# KiCad board jetson-agx-thor-baseboard.kicad_pcb (continued)
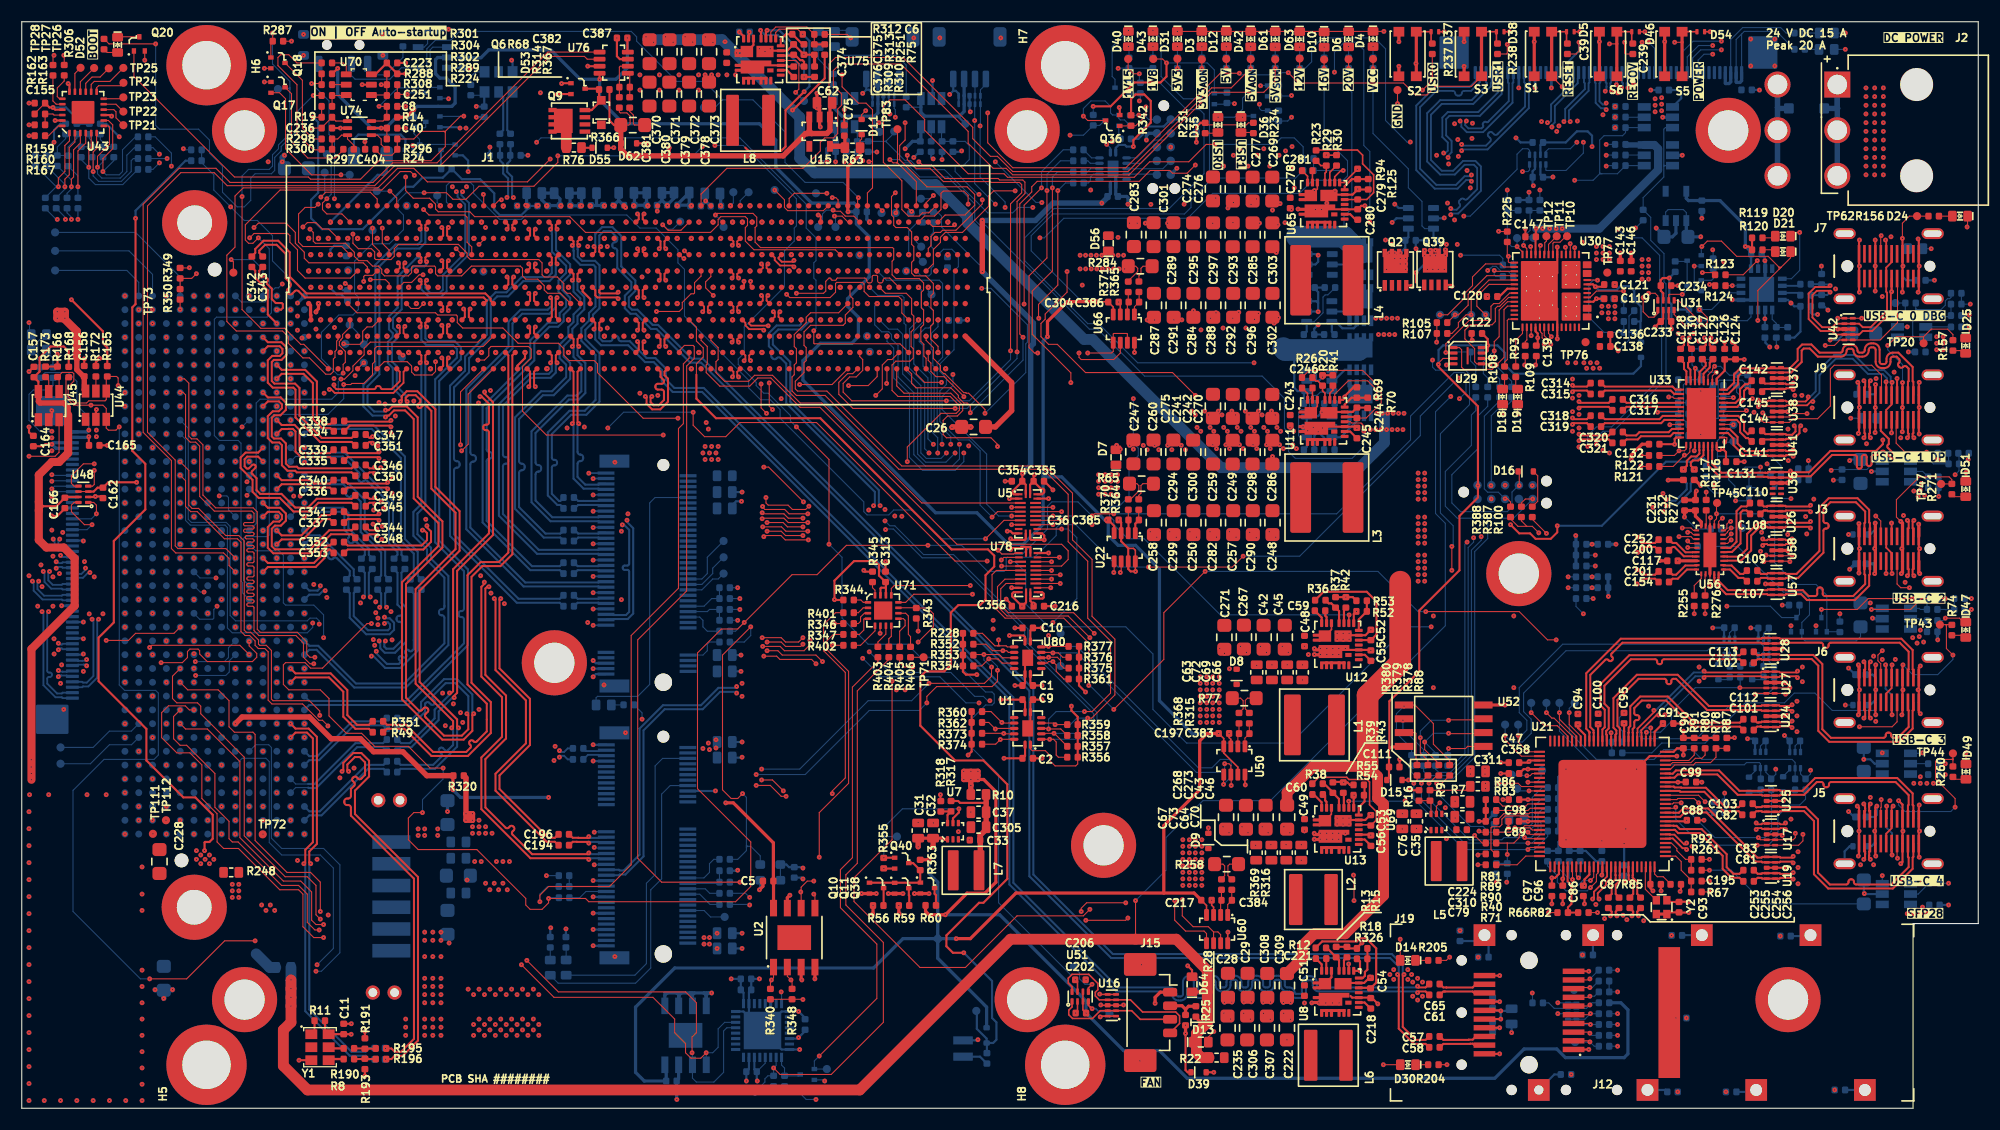
[diagram p0: board, top side]
## Nets (continued)
Net-(Q22-G): Q22.1 U72.1
Net-(Q23-G): Q23.4 U62.5
Net-(Q24-G): Q24.4 U63.5
Net-(Q25-G): Q25.4 U64.5
Net-(Q26-D1): Q26.5 Q26.6 R303.2
Net-(Q27-D1): Q27.5 Q27.6 R332.2
Net-(Q28-G): Q28.1 Q36.3 R126.1
Net-(Q29-D1): Q29.5 Q29.6 R333.2
Net-(Q34-D): Q34.3 Q35.1 R273.1
Net-(Q35-D): Q35.3 R118.2 R274.1
Net-(Q37-D): Q37.3 R50.1
Net-(Q37-G): Q7.3 Q8.1 Q37.1 R47.1
Net-(Q38-D): Q38.3 R60.1
Net-(R265-Pad1): R265.1 R269.2 R339.2
Net-(R300-Pad2): R300.2 R301.2
Net-(R307-Pad2): R307.2 SW2.3
Net-(R406-Pad2): R406.2 TP71.1
Net-(U21-PF19): R40.2 U21.66
Net-(U21-PF26): R71.2 U21.75
Net-(U21-RBIAS): R85.2 U21.100
Net-(U21-USB2DN_DM3): R46.1 U21.82
Net-(U21-USB2DN_DM4): R57.1 U21.15
Net-(U21-USB2DN_DP3): R21.1 U21.81
Net-(U21-USB2DN_DP4): R48.1 U21.14
Net-(U21-USB3DN_RXDM3): R62.1 U21.87
Net-(U21-USB3DN_RXDP3): R58.1 U21.86
Net-(U21-XTALI): U21.98 Y2.3
Net-(U22-IN+): C385.2 R364.1 U22.1
Net-(U22-IN-): C385.1 R370.1 U22.2
Net-(U23-FLG): R268.2 U23.3
Net-(U30A-HPD1): TP16.1 U30.30
Net-(U33-CAD_SNK/RSVD1): TP18.1 U33.29
Net-(U34-RXD): R123.2 U34.2
Net-(U34-TXD): R124.2 U34.15
Net-(U34-~{RESET}): C140.1 R145.2 U34.9
Net-(U35-EN): R143.2 R144.2 U35.4
Net-(U35-ISET): R146.2 U35.5
Net-(U40-EN): R151.2 R152.2 U40.4
Net-(U50-IN+): C383.2 R315.1 U50.1
Net-(U50-IN-): C383.1 R368.1 U50.2
Net-(U53-ISET): R241.2 U53.5
Net-(U55-ISET): R245.2 U55.5
Net-(U59-B1Y): R294.1 U59.13
Net-(U59-B2Y): R293.1 U59.12
Net-(U59-B3Y): R292.1 U59.11
Net-(U59-B4): R295.1 U59.10
Net-(U60-IN+): C384.2 R316.1 U60.1
Net-(U60-IN-): C384.1 R369.1 U60.2
Net-(U66-IN+): C386.2 R365.1 U66.1
Net-(U66-IN-): C386.1 R371.1 U66.2
Net-(U70-OUT): R301.1 U70.4
Net-(U70-~{CLR}): R224.1 R289.1 U70.6
Net-(U70-~{INT}): R302.1 U70.5
Net-(U71-ADDR): R345.2 U71.16
Net-(U71-~{RESET}): R344.2 U71.1
Net-(U72-CT): C226.2 U72.5
Net-(U72-~{MR}): SW2.2 U72.4
Net-(U74-2Y): R24.2 U74.4
Net-(U76-IN+): C382.2 R314.1 U76.1
Net-(U76-IN-): C382.1 R367.1 U76.2
Net-(Y1-EN): R11.2 Y1.1
Net-(Y5-EN): R1.2 Y5.1

Pads without a net: J1 A4 A5 A7 A30 A31 A38 A39 A47 A48 A55 A62 B5 B6 B8 B9 B16 B17 B28 B29 B40 B45 B46 B48 B49 C5 C8 C30 C31 C44 C45 C54 C59 C60 D6 D9 D20 D21 D36 D40 D54 E6 E7 E8 E10 E30 E31 E34 E35 E50 E51 E59 F8 F16 F17 F24 F25 F36 F37 F40 F45 F46 F54 F59 G30 G31 G55 H6 H10 H20 H21 H40 H42 H43 H51 H55 J10 J11 J19 J30 J31 J38 J39 J50 J51 J55 J59 K7 K9 K10 K16 K17 K28 K29 K36 K40 K49 K51 K52 K56 K57 K59 L4 L5 L6 L9 L44 L45 L48 L49 L50 L57; J3 A8 B8; J4 7 10; J5 A8 B8; J6 A8 B8; J7 A2 A3 A8 A10 A11 B2 B3 B8 B10 B11; J10 13 14 16 17 31 33 35 36 37 38 43 44 45 46; J11 13 14 16 17 31 33 35 36 37 38 43 44 45 46; J13 6 8 20 22 24 26 28 30 32 34 36 38 46 48 56 58 67 69; J14 8 9 10 11 12 13 14 15 17 19 20 21 22 23 32 34 36 38 40 42 44 46 48 58 59 60 61 64 65 66 67 68 70 71 73; J18 A22 A23 A26 A27 A30 A31 A34 A35 A38 A39 B24 B25 B28 B29 B32 B33 B36 B37 C02 C03 C06 C07 D04 D05 D29 D30 D31 D33 D34 E02 E03 E06 E07 E09 E10 E12 E13 E15 E16 E18 E19 E21 E22 E24 E25 E27 E28 E30 E31 E33 E34 E36 E37 F04 F05 F07 F08 F10 F11 F13 F14 F16 F17 F19 F20 F22 F23 F25 F26 F28 F29 F31 F32 F34 F35 F37 F38 G33 G34 G36 G37 H04 H05 H34 H35 H37 H38 J02 J03 J06 J07 J09 J10 J12 J13 J15 J16 J18 J19 J21 J22 J24 J25 J27 J28 J30 J31 J33 J34 J36 J37 K04 K05 K07 K08 K10 K11 K13 K14 K16 K17 K19 K20 K22 K23 K25 K26 K28 K29 K31 K32 K34 K35 K37 K38 L04 L05 L08 L09 L12 L13 L16 L17 L20 L21 L24 L25 L28 L29 M02 M03 M06 M07 M10 M11 M14 M15 M18 M19 M22 M23 M26 M27 M30 M31 M34 M35 M38 M39 Y02 Y03 Y06 Y07 Z04 Z05 Z08 Z09 Z20 Z21 Z24 Z25; J20 7; SW2 1; U1 6 9; U2 9; U5 9 20; U6 4; U8 10 11 14 28; U11 10 11 28; U12 10 11 14 28; U13 10 11 14 28; U14 3 4 5 6 7 10 11 12 13 15 19 21 24 25 26 27 28 31; U15 4; U21 2 3 47 48 49 50 54 57 61 74 76 77 83 84 96 97; U29 EP; U30 7 8 15 19 40 41 50 52 53 54 55 56 57 58; U32 4; U34 4 16; U36 4 5 6 7; U43 25; U53 3; U54 9; U55 3; U59 6 9; U61 4; U62 4; U63 4; U64 4; U65 10 11 14 28; U71 17; U75 10 11 28; U78 18; U80 6 9; Y1 2; Y5 2

## Via types
v1: diameter 0.45, hole 0.1, Top to Bottom, 3235 vias

## Routing (per net, layer and track width the routed paths; a pad name or vN(x,y) marks a point on that pad's centre or on a via; arc(x,y) is an arc through that point)
+1V8: length 355.3
  Top w0.1: C155.2 1.19,91.55 R159.2 ; v1(105.32,96.21) 104.96,96.57 TP42.1 ; v1(15.42,77.36) 15.4,77.34 R349.2 ; U1.1 92.8,33.08 92.97,32.91 94.17,32.91 94.57,32.51 94.57,32.01 95.07,31.51 96.97,31.51 97.15,31.69 R356.1 ; v1(136.67,97.91) 136.67,97.11 136.59,97.03 R238.2 ; R237.2 129.77,94.61 v1(128.87,93.71) ; v1(82.47,43.91) 82.47,44.91 R343.2 ; U48.6 U48.3 ; Q17.1 v1(22.32,94.46)
  Top w0.15: v1(97.92,8.76) 97.63,9.05 U51.3 U51.6
  Top w0.2: C354.2 92.05,58.39 v1(92.07,58.41) ; C354.2 92.05,57.69 91.17,56.81 91.17,56.61 91.27,56.51 U5.1 ; C354.2 92.37,57.39 U5.24 ; R228.1 86.59,40.19 86.87,39.91 v1(87.87,39.91) ; R356.1 97.15,36.03 96.57,36.61 v1(96.57,37.01) ; 92.79,46.91 92.79,46.69 v1(93.07,46.41) 93.09,46.39 C216.2 ; 92.79,46.91 93.92,46.91 94.02,47.01 94.02,47.36 93.88,47.5 U78.1 ; 92.79,46.91 U78.24 ; U1.8 92.31,37.37 C1.2 v1(90.07,37.61) ; v1(90.87,43.51) 92.17,43.51 92.3,43.38 U80.1 ; v1(90.67,53.11) 90.97,53.11 91.17,52.91 U5.10 ; v1(105.32,96.21) 105.32,94.96 104.77,94.41 102.37,94.41 100.17,92.21 v1(98.57,92.21) ; v1(94.47,51.11) 94.46,51.1 U78.10 ; R167.1 v1(0.67,89.51) ; v1(93.87,38.91) C9.2 92.79,39.15 U80.8 ; v1(10.57,57.61) 7.96,57.61 C162.2 6.97,57.12 6.62,56.76 U48.3 ; U43.21 3.07,91.91 v1(2.87,92.11) 2.55,92.11 C155.2
  Top w0.3: v1(87.97,30.26) 88.5,30.26 89.62,29.14 89.62,20.8 88.62,19.8 86.97,19.8 84.98,17.81 83.47,17.81 83.15,18.13 R60.2
  Top w0.5: 87.97,30.66 86.67,30.66 ; 87.97,30.66 v1(87.97,31.01) v1(86.67,31.01) 86.67,30.66 ; 87.97,30.66 v1(87.97,30.26) v1(86.67,30.26) 86.67,30.66 ; v1(87.32,31.01) v1(87.32,29.71) 87.31,29.7 R10.2 ; v1(88.37,77.01) v1(88.37,81.71)
  In4.Cu w0.2: v1(143.57,79.71) 143.57,70.81 145.37,69.01 145.37,68.71 147.37,66.71 159.47,66.71 161.17,65.01 161.17,63.31 159.97,62.11 v1(159.97,59.01)
  In5.Cu w0.1: v1(22.32,94.46) 23.67,93.11 23.67,88.11 v1(22.67,87.11)
  In5.Cu w0.2: v1(136.67,97.91) 133.87,97.91 129.67,93.71 v1(128.87,93.71) 127.87,94.71 110.67,94.71 109.17,96.21 v1(105.32,96.21) ; v1(99.37,83.31) 99.37,88.26 v1(99.82,88.71) ; v1(139.07,84.91) 139.27,85.11 139.97,85.11 143.57,81.51 v1(143.57,79.71)
  In5.Cu w0.5: v1(99.37,83.31) 99.37,88.26 99.79,88.68
  In7.Cu w0.2: v1(136.67,97.91) 136.67,92.21 139.07,89.81 v1(139.07,84.91)
  In7.Cu w0.5: 99.79,88.68 98.57,89.9 v1(98.57,92.21) 99.37,92.21 100.17,91.41 v1(102.77,91.41)
  Bottom w0.1: R274.2 158,58.44 158.57,59.01 v1(159.97,59.01) 159.95,58.99 R273.2 ; v1(99.82,88.71) 100.16,88.37 U59.14 ; v1(88.37,77.01) 88.37,77.36 84.62,81.11 84.62,82.11 84.24,82.49 R291.1 R290.1 ; v1(105.32,96.21) 109.07,96.21 109.72,95.56 Q16.1 110.8,93.41 R84.2 ; v1(102.77,91.41) 102.75,91.39 R126.2 ; R285.2 98.58,92.2 v1(98.57,92.21)
  Bottom w0.2: U49.6 U49.3 139.22,86.46 139,86.24 C163.2 139,84.98 v1(139.07,84.91) ; R170.2 R161.2 5.07,91.11 4.07,92.11 v1(2.87,92.11)
  Bottom w0.3: C238.2 100.16,84.19 100.16,84.97 ; R197.2 147.12,9.71 147.77,9.06 147.77,5.01 147.42,4.66 142.02,4.66 141.22,5.46 138.22,5.46 135.52,2.76 107.22,2.76 104.67,5.31 101.37,5.31 v1(97.92,8.76) 97.92,9.86 89.97,17.81 v1(84.97,17.81)
  Bottom w0.5: C238.2 99.89,83.83 v1(99.37,83.31) 94.87,83.31 93.27,81.71 v1(88.37,81.71) ; v1(88.37,77.01) 92.82,72.56 92.82,72.51 93.07,72.26 93.07,70.36 92.82,70.11 92.82,59.16 v1(92.07,58.41)
  vias: v1(19.37,20.61) v1(19.37,20.01) v1(19.37,19.41) v1(19.97,20.61) v1(19.97,20.01) v1(19.97,19.41) v1(87.32,30.26) v1(94.47,43.51)
+1V15: length 140.5
  Top w0.1: TP64.1 101.79,95.69 102.27,95.21 v1(102.82,95.21) ; v1(131.57,49.51) v1(131.57,51.71)
  Top w0.2: C99.2 152.99,30.03 152.97,30.01 v1(152.37,30.01) U21.18 ; U21.33 147.42,34.71 147.42,34.71 v1(147.42,35.41) 147.41,35.42 C95.2 ; C88.2 v1(153.17,26.51) 153.07,26.41 U21.9 ; U21.78 141.42,21.56 141.07,21.21 v1(140.77,21.21) C97.2 ; U21.25 151.97,32.81 152.29,33.13 C90.2 v1(152.87,32.51) ; v1(147.42,20.76) 147.42,20.76 U21.93 ; C100.2 145.03,35.35 145.02,35.33 v1(145.02,35.31) 145.02,35.31 U21.39 ; U21.85 144.22,21.51 143.77,21.06 143.77,20.59 C86.2 ; C358.2 138.17,31.21 v1(138.57,31.21) U21.55
  In5.Cu w0.1: v1(131.57,49.51) 134.62,46.46 v1(134.62,31.26)
  In7.Cu w0.1: v1(129.79,68.86) 129.54,68.61 v1(113.37,68.61)
  Bottom w0.1: v1(113.37,68.61) 102.67,68.61 99.07,72.21 98.07,72.21 92.27,78.01 92.27,80.11 94.97,82.81 105.57,82.81 108.77,86.01 108.77,91.51 108.37,91.91 107.17,91.91 104.7,94.38 R72.2 ; R72.2 102.82,94.47 v1(102.82,95.21) ; R72.2 102.86,94.43 Q4.1 ; v1(131.57,51.71) 131.69,51.84 131.69,53.61 130.52,54.79 130.52,62.09 133.19,64.76 133.19,67.56 132.82,67.94 130.07,67.94 129.79,68.21 v1(129.79,68.86)
  Bottom w0.2: v1(147.42,20.76) C92.2
  vias: v1(134.62,30.76) v1(134.67,29.91) v1(134.67,29.41) v1(143.77,20.49)
+3V3: length 260.4
  Top w0.1: D14.2 v1(126.82,15.56) ; C94.2 v1(143.17,35.31) ; D30.2 v1(125.27,4.01) ; R234.2 112.86,90.7 112.67,90.51 109.07,90.51 R231.2 ; R258.2 110.51,22.47 110.67,22.31 110.67,21.41 110.37,21.11 R369.2 ; TP41.1 v1(106.32,95.71) ; v1(135.87,80.71) 135.89,80.69 R225.1 ; R66.2 v1(140.47,18.01) ; R105.1 R107.1 130.19,70.53 v1(130.17,70.51) ; R67.1 v1(155.27,19.91) ; R255.2 v1(153.87,45.51)
  Top w0.2: v1(87.07,32.51) 87.39,32.83 R360.1 ; C132.1 152.06,61.12 v1(152.07,61.11) 152.07,61.61 152.2,61.74 U33.20 ; v1(127.57,30.21) D15.2 ; U30.5 144.59,74.23 v1(144.87,74.51) 144.97,74.51 144.97,74.51 C119.1 ; R11.1 27.9,7.16 Y1.6 C11.2 30.3,6.82 v1(30.31,6.81) ; U21.79 141.82,21.16 v1(141.77,21.11) C96.2 ; R87.2 157.55,34.09 v1(157.57,34.11) ; U21.67 C89.2 ; v1(158.47,68.91) 158.45,68.93 C124.2 C126.1 156.67,67.89 155.93,67.15 U33.1 ; v1(143.17,35.31) 143.17,35.01 143.82,34.36 U21.42 ; U21.88 145.42,21.51 v1(145.37,21.46) ; J12.16 v1(136.07,8.21) ; C131.1 156.79,60.39 v1(156.47,60.71) 156.27,60.51 156.07,60.51 155.93,60.65 U33.28 ; U78.22 91.26,47.5 91.12,47.36 91.12,47.11 v1(92.02,46.21) C356.2 92.39,46.56 U78.23 ; v1(108.07,88.91) 108.07,90.31 108.46,90.7 R231.2 ; U71.14 79.5,47.91 ; 79.5,47.91 79.5,48.4 C313.2 78.87,49.03 78.87,50.01 78.52,50.36 76.57,50.36 74.77,48.56 v1(74.77,46.81) 74.8,46.78 R344.1 ; 79.5,47.91 79.07,47.91 79,47.84 U71.15 ; 4.07,56.16 4.17,56.26 U48.7 ; U21.62 v1(138.57,28.41) C98.2 ; C47.2 138.57,31.81 v1(138.67,31.91) 138.77,32.01 U21.53 ; v1(97.87,38.31) 97.27,38.91 R377.1 ; C355.2 93.09,57.69 93.77,57.01 93.97,57.01 94.07,56.91 94.07,56.71 93.87,56.51 U5.22 ; C355.2 93.09,58.23 v1(93.17,58.31) ; C355.2 92.77,57.39 U5.23 ; v1(90.37,32.21) C2.2 92.31,32.45 U1.14 ; Y2.1 151.51,18.03 C93.2 152.49,18.01 v1(153.37,18.01) ; J12.15 136.02,9.01 v1(136.07,8.96) ; U21.99 149.82,20.63 C87.2 149.84,20.24 v1(150.07,20.01) ; 1.97,55.41 1.57,55.81 ; 1.97,55.41 1.57,55.01 ; 1.97,55.41 3.19,55.41 C166.2 ; U80.14 92.79,43.97 C10.2 v1(93.87,44.21) ; U33.6 153.94,68.08 v1(153.97,68.11) ; U21.26 150.22,34.65 v1(150.99,35.41) ; v1(134.07,26.41) R81.1 R86.1 ; R168.1 4.32,69.66 3.87,70.11 2.67,70.11 1.64,69.08 1.64,67.8 C157.1 1.53,66.87 1.53,65.97 ; v1(4.57,74.41) 7.47,71.51 7.47,70.41 7.87,70.01 R165.2
  Top w0.3: R116.2 153.95,57.83 v1(154.47,57.31) ; 150.38,17.87 Y2.1 ; v1(80.72,17.91) 80.69,17.94 v1(80.69,18.66) ; U56.8 v1(152.35,50.39)
  Top w0.5: R320.1 40.87,30.41 v1(40.87,27.11) ; v1(40.87,27.11) v1(41.47,26.51) ; v1(40.87,27.11) v1(40.87,26.51) v1(41.47,26.51) ; v1(40.87,27.11) v1(41.47,27.11) v1(41.47,26.51) ; 1.53,65.97 1.53,65.05 1.67,64.91 3.87,64.91 4.27,64.51 4.27,63.81
  Top w0.75: 4.27,63.81 4.27,60.31 3.44,59.49 2.77,59.49 1.57,58.29 1.57,52.31 2.27,51.61 3.87,51.61 4.87,50.61 4.87,46.25 0.89,42.27 v1(0.89,30.24)
  Bottom w0.1: v1(57.07,35.81) 57.07,36.39 R211.2 ; R265.2 v1(179.37,46.91) ; R132.2 158.29,67.01 156.17,67.01 156.07,66.91 156.07,65.51 ; R209.1 v1(65.87,47.91) ; R189.2 v1(146.82,5.71) ; R138.2 156.07,65.51 ; 156.07,65.51 156.07,63.51 156.05,63.49 R140.2 155.02,62.92 R128.2 153.35,62.93 152.87,63.41 152.87,64.91 ; v1(146.82,10.71) R188.2 146.04,10.72 R192.2 ; C204.2 68.4,4.14 U14.20 ; R174.2 145.82,86.76 v1(145.77,86.71) ; v1(153.97,68.11) 153.67,68.41 153.67,69.71 153.85,69.89 R136.2 ; R176.1 149.17,81.71 v1(148.47,81.01) ; 152.87,64.91 152.87,66.57 R130.2 154.41,67.05 C125.1 ; 152.87,64.91 152.89,64.93 R134.2 ; 70.19,2.02 70.96,2.02 72.17,0.81 v1(73.07,0.81) ; 70.19,2.02 70.26,2.02 70.27,2.01 69.19,2.01 R230.2 ; 70.19,2.02 R232.2 ; Y3.1 Y3.4 ; R266.1 v1(167.27,45.51) ; v1(166.67,57.81) 166.69,57.83 R127.2 ; R48.2 R57.2 156.65,28.99 v1(156.67,29.01) ; R220.2 v1(48.27,21.41) ; Y5.6 42.27,93.23 R1.1 ; v1(69.87,10.71) 69.9,10.68 U14.8 ; R210.1 v1(65.87,44.91) ; R321.2 v1(135.67,20.81)
  Bottom w0.2: R203.2 65.82,21.86 v1(65.87,21.91) ; v1(77.37,87.21) 77.07,87.21 76.87,87.41 R235.2 ; R169.2 7.77,90.61 v1(8.97,89.41) ; v1(136.07,8.96) 136.87,8.96 C168.2 ; v1(136.07,8.96) 135.59,8.96 C180.2 ; v1(136.07,8.96) v1(136.07,8.21) 135.59,8.21 C171.2 ; v1(144.87,74.51) C118.2 ; R104.1 R103.1 v1(138.67,84.31) ; U49.7 139.72,88.65 C167.2 142.05,88.89 143.07,89.91 144.07,89.91 144.47,89.51 v1(144.47,88.51) ; v1(153.97,68.11) 154.47,67.61 C125.1 ; Y3.4 70.35,22.43 70.59,22.19 C189.1 71.79,22.19 v1(71.87,22.11) ; R243.2 v1(84.67,87.31) ; v1(2.97,88.91) 2.97,90.01 3.57,90.61 R158.2 ; v1(50.07,16.51) 50.06,16.5 R221.2 ; U14.22 67.4,3.59 C204.2 67.62,2.56 v1(67.67,2.51) ; v1(134.07,26.41) 134.77,26.41 R323.2 ; U14.14 71.37,6.41 v1(71.47,6.51) 72.07,7.11 C205.2 ; R222.2 48.62,16.56 v1(48.67,16.61) ; R338.1 v1(161.97,46.31) ; R341.2 v1(108.07,88.91) ; Y5.6 42.55,93.51 C199.2 41.84,92.19 v1(41.82,92.21) ; v1(145.37,21.46) C85.2 144.85,22.73 143.89,23.69 R46.2 R21.2 ; v1(65.27,11.91) C207.2 C203.2 66.4,10.65 U14.1
  Bottom w0.3: v1(73.47,87.11) v1(74.07,87.11) 74.07,88.31 74.75,88.99 C208.1 74.87,90.18 U53.6 ; v1(145.97,47.11) 145.95,47.13 R279.1 145.94,47.91 R280.1 ; U55.6 82.72,89.04 C210.1 81.95,88.99 v1(81.27,88.31)
  vias: v1(0.88,32.07) v1(0.87,31.41) v1(0.88,30.81) v1(41.47,25.91) v1(41.47,25.31) v1(42.07,26.51) v1(42.07,25.91) v1(42.07,25.31) v1(42.67,25.91) v1(42.67,25.31) v1(43.27,25.31) v1(62.67,60.31) v1(62.67,33.11) v1(62.77,15.71) v1(62.77,15.11) v1(62.87,60.91) v1(62.87,59.71) v1(63.17,33.61) v1(63.27,60.31) v1(63.27,33.01) v1(63.27,15.71) v1(63.27,15.11) v1(63.47,60.91) v1(63.47,59.71) v1(63.87,60.31) v1(63.87,33.91) v1(63.87,33.16) v1(63.97,16.11) v1(63.97,14.71) v1(64.07,60.91) v1(64.07,59.71) v1(106.82,24.71) v1(106.82,24.11) v1(106.82,23.51) v1(106.82,22.91) v1(106.82,22.31) v1(106.82,21.71) v1(106.82,21.11) v1(106.82,20.51) v1(107.42,24.71) v1(107.42,24.11) v1(107.42,23.51) v1(107.42,22.91) v1(107.42,22.31) v1(107.42,21.71) v1(107.42,21.11) v1(107.42,20.51) v1(107.97,24.71) v1(107.97,24.11) v1(107.97,23.51) v1(107.97,22.91) v1(107.97,22.31) v1(107.97,21.71) v1(107.97,21.11) v1(107.97,20.51) v1(108.57,24.71) v1(108.57,24.11) v1(108.57,23.51) v1(108.57,22.91) v1(108.57,22.31) v1(108.57,21.71) v1(108.57,21.11) v1(108.57,20.51) v1(138.57,26.41) v1(150.27,92.91) v1(150.27,92.31) v1(150.27,91.71) v1(150.87,93.01) v1(150.87,92.41) v1(150.87,91.81)
+3V3_AON: length 363.4
  Top w0.1: TP63.1 v1(108.57,95.71) ; R296.2 C40.2 ; R63.2 77.13,89.07 77.27,89.21 D11.1
  Top w0.15: U66.4 100.42,73.74 C304.2 99.93,74.23 v1(98.92,74.23) ; C217.2 109,18.67 U60.4 ; U50.7 111.88,31.4 110.58,32.7 U50.4 110.58,34.03 v1(110.12,34.49)
  Top w0.2: U22.4 100.5,53.6 C36.2 v1(99.77,54.15) ; v1(53.17,94.71) 53.16,94.72 U76.8 ; v1(29.07,95.71) 28.57,95.21 R304.2 ; v1(55.72,98.51) 55.72,97.25 U76.4 ; C40.2 v1(33.07,90.21) U74.5
  Top w0.3: 105.07,19.81 107.85,19.81 C217.2 ; 105.07,19.81 91.47,19.81 87.27,15.61 v1(85.97,15.61) ; 105.07,19.81 105.07,26.01 108.37,29.31 108.37,33.81 109.05,34.49 v1(110.12,34.49) ; v1(36.07,91.91) 35.37,91.21 R14.2 ; R363.2 83.43,22.87 v1(83.47,22.91) ; 77.15,88.43 R63.2 77.13,87.77 76,86.64 J1.L53 76,82.53 v1(76.02,82.51) ; v1(98.92,74.23) 98.91,74.24 96.2,74.24 94.37,72.41 v1(94.37,71.01)
  Bottom w0.1: 109.57,85.61 117.19,85.61 R34.2 ; 109.57,85.61 109.27,85.91 109.27,94.01 108.57,94.71 R32.2 ; 109.57,85.61 107.57,83.61 107.57,82.91 106.97,82.31 94.87,82.31 92.87,80.31 92.87,78.91 97.62,74.16 98.92,74.16
  Bottom w0.2: U72.2 40.55,96.71 C225.2
  Bottom w0.3: C225.2 42.25,96.69 42.97,97.41 48.67,97.41 51.37,94.71 v1(53.17,94.71) ; 93.97,58.11 93.97,58.36 ; 93.97,58.11 93.97,57.91 ; 93.97,58.11 94.22,58.11 ; 93.97,58.36 94.22,58.11 ; 93.97,58.36 93.97,70.61 v1(94.37,71.01) ; 84.27,15.41 84.27,15.31 ; 84.27,15.41 84.37,15.41 84.57,15.61 ; 84.27,15.41 84.07,15.61 ; 84.27,15.31 83.97,15.61 ; 84.27,15.31 84.57,15.61 ; 84.27,15.31 84.27,13.81 88.77,9.31 D1.2 ; 84.27,15.31 84.27,15.61 ; 94.22,58.11 94.17,58.11 93.97,57.91 ; 94.22,58.11 95.67,58.11 99.63,54.15 v1(99.77,54.15) 99.96,53.96 99.96,52.72 100.87,51.81 102.47,51.81 104.67,49.61 104.67,37.51 107.69,34.49 v1(110.12,34.49) ; 83.97,15.61 81.07,15.61 78.37,12.91 60.07,12.91 56.47,9.31 56.47,3.31 57.27,2.51 C209.2 59.29,3.88 U54.8 ; 83.97,15.61 84.07,15.61 ; 83.97,15.61 84.27,15.91 ; v1(53.17,94.71) 54.67,94.71 55.72,95.76 v1(55.72,98.51) ; v1(53.17,94.71) 53.17,92.81 55.37,90.61 67.87,90.61 69.37,89.11 69.37,86.61 72.67,83.31 76.57,83.31 76.79,83.09 C272.2 ; v1(76.02,82.51) C272.2 ; C272.2 76.79,81.39 77.97,80.21 77.97,76.51 75.97,74.51 75.97,73.81 76.97,72.81 76.97,71.01 76.37,70.41 73.47,70.41 71.87,68.81 71.87,67.01 84.07,54.81 87.87,54.81 90.77,51.91 92.13,51.91 93.97,53.75 93.97,57.91 ; 84.57,15.61 v1(85.97,15.61) ; 84.57,15.61 84.27,15.61 ; 84.57,15.61 84.27,15.91 ; v1(83.47,22.91) 83.47,21.61 84.27,20.81 84.27,15.91 ; 84.27,15.61 84.27,15.91 ; 84.27,15.61 84.07,15.61 ; v1(29.07,95.71) 29.07,93.31 U74.5 v1(33.07,90.21) 33.47,90.21 34.46,91.2 R47.2 v1(36.07,91.91) 36.37,92.21 39.57,92.21 39.87,92.51 39.87,94.01 39.07,94.81 38.47,94.81 38.07,95.21 38.07,96.51 38.27,96.71 U72.2
+5V: length 89.1
  Top w0.1: TP7.1 v1(110.82,95.71) ; R368.2 112.37,36.76 112.37,37.51 112.14,37.74 R77.2
  Top w0.15: v1(96.92,11.83) 97.13,11.62 U51.7
  Top w0.2: v1(107.07,6.89) 107.07,3.51 107.27,3.31 D39.1 ; U30.25 139.27,80.18 C147.2 139.3,80.94 v1(139.32,80.96) ; U30.46 139.27,71.51 139.47,71.31 v1(139.47,70.91) 139.47,70.32 C139.1
  Top w0.3: U56.30 154.51,53.97 153.98,54.5 C232.1 C231.1 152.98,54.42 v1(152.97,54.41) ; v1(107.07,6.89) 107.07,7.64 ; U7.1 84.72,24.75 84.61,24.86 C32.2 C31.2 ; v1(78.27,17.86) 78.32,17.91 v1(78.32,18.66)
  Top w0.5: U44.6 5.75,66.13 C156.1 5.68,67.36 5.07,67.97 5.07,69.11 ; v1(83.82,24.06) 83.84,24.08 C32.2 ; C31.2 v1(82.47,24.06) ; v1(3.27,72.71) 3.37,72.81 3.77,72.81 5.07,71.51
  Top w0.75: v1(3.27,73.31) 5.07,71.51 5.07,69.11 ; v1(3.27,73.31) v1(3.97,73.31) v1(3.97,72.71) v1(3.27,72.71) v1(3.27,73.31)
  Bottom w0.1: R150.2 174.25,73.61 ; 174.25,73.61 174.35,73.51 ; 174.25,73.61 174.25,73.51 ; U40.6 174.12,70.96 173.97,71.11 173.97,72.91 174.25,73.19 174.25,73.41 ; R256.2 154.07,53.31 v1(152.97,54.41) ; 174.35,73.51 174.37,73.51 ; 174.35,73.51 174.25,73.41 ; 174.37,73.51 176.57,73.51 176.97,73.91 176.97,74.31 177.17,74.51 177.37,74.51 177.49,74.63 R149.2 ; 174.37,73.51 174.25,73.51 ; 174.25,73.51 174.25,73.41 ; v1(100.87,95.71) 100.89,95.73 R240.2 R257.2
  Bottom w0.2: Q27.4 162.65,33.81 R332.1 162.65,33.83 v1(162.17,34.31) ; 156.61,43.22 156.61,44.21 R303.1 155.59,44.23 v1(155.57,44.21) ; R142.2 179.13,59.77 v1(179.07,59.71) ; v1(159.07,44.21) 159.15,44.21 159.16,44.2 R299.1 159.77,43.2 Q21.4 ; v1(158.77,34.01) 159.27,34.01 R333.1 159.46,33.8 Q29.4
  Bottom w0.3: R278.2 R254.1 R252.2 142.99,52.69 v1(142.97,52.71) ; 175.17,69.63 C148.1
  Bottom w0.5: 145.22,80.96 v1(141.72,80.96) v1(139.32,80.96) ; 150.47,86.21 150.47,88.46 150.27,88.66 U46.6 147.6,88.66 C158.1
  Bottom w0.75: v1(139.32,80.96) 145.14,80.96 150.54,86.36 150.54,88.31 150.2,88.66 U46.6
  vias: v1(41.67,22.71) v1(42.27,22.71) v1(42.67,20.71) v1(43.07,20.11) v1(43.47,20.71) v1(43.67,22.71) v1(43.87,20.11) v1(44.27,22.71) v1(44.27,20.71) v1(44.67,20.11) v1(44.87,22.71) v1(107.06,7.65) v1(108.42,39.71) v1(108.42,39.11) v1(108.42,38.51) v1(108.42,37.91) v1(108.42,37.31) v1(108.42,36.71) v1(108.42,36.11) v1(108.42,35.51) v1(109.02,39.71) v1(109.02,39.11) v1(109.02,38.51) v1(109.02,37.91) v1(109.02,37.31) v1(109.02,36.71) v1(109.02,36.11) v1(109.02,35.51) v1(109.57,39.71) v1(109.57,39.11) v1(109.57,38.51) v1(109.57,37.91) v1(109.57,37.31) v1(109.57,36.71) v1(109.57,36.11) v1(109.57,35.51) v1(110.17,39.71) v1(110.17,39.11) v1(110.17,38.51) v1(110.17,37.91) v1(110.17,37.31) v1(110.17,36.71) v1(110.17,36.11) v1(110.17,35.51) v1(127.01,25.71) v1(128.32,25.76) v1(139.92,80.96) v1(140.57,80.96) v1(141.17,80.96) v1(173.47,17.91) v1(173.97,43.31) v1(174.07,56.81) v1(174.07,29.91) v1(174.07,17.91) v1(174.37,42.81) v1(174.47,56.31) v1(174.57,43.41) v1(174.67,56.91) v1(174.67,44.01) v1(174.67,30.51) v1(174.67,29.91) v1(174.67,17.91) v1(174.77,57.51) v1(174.87,18.51) v1(174.97,42.91) v1(175.07,56.41) v1(175.27,29.91) v1(175.27,17.91) v1(175.87,29.91) v1(176.17,71.01) v1(176.17,70.41) v1(176.17,69.81) v1(176.77,71.01) v1(176.77,70.41) v1(176.77,69.81)
+5V_AON: length 190.2
  Top w0.1: R366.2 55.85,90.49 55.97,90.61 55.97,91.31 55.67,91.61 55.07,91.61 54.98,91.7 R367.2 ; R289.2 v1(26.82,93.21) ; R287.2 v1(24.82,98.21) ; v1(12.32,97.96) 8.03,97.96 R306.2 ; TP9.1 v1(113.07,95.71) 111.27,93.91 109.47,93.91 101.77,86.21 91.17,86.21 89.77,87.61 89.12,87.61 87.49,89.24 87.49,90.29 81.07,96.71 74.87,96.71 74.27,96.11 74.27,92.82 C62.2
  Top w0.2: 55.01,89.13 55.01,90.39 R366.2 54.49,90.49 54.07,90.91 R68.2 ; U70.3 32.54,95.16 C223.2 33.59,96.17 R288.2 v1(35.32,95.21)
  Top w0.3: U15.1 74.36,92.33 C62.2 ; v1(59.57,88.41) 59.57,87.66
  Top w0.5: 72.27,89.71 72.11,89.71 70.06,87.66 55.72,87.66 55.11,88.27 R366.2 ; 72.27,89.71 72.67,89.71 ; 72.27,89.71 72.47,89.91 ; 72.67,89.71 72.47,89.91 ; 72.67,89.71 74.07,89.71 74.36,90 U15.1 ; 72.47,89.91 72.46,89.92 U15.3
  In5.Cu w0.3: v1(59.57,88.41) 58.67,89.31 52.27,89.31 50.87,90.71 31.27,90.71 29.77,89.21 26.67,89.21 25.77,90.11 25.77,92.16 v1(26.82,93.21) 28.34,94.74 ; v1(24.82,98.21) 25.87,98.21 27.27,96.81 27.27,95.51 27.57,95.21 27.97,95.21 ; 28.27,95.21 28.82,95.21 ; 28.27,95.21 28.49,94.99 28.49,94.89 ; 28.27,95.21 27.97,95.21 ; 28.27,95.21 28.34,95.14 28.34,95.01 ; 28.82,95.21 v1(35.32,95.21) ; 28.82,95.21 28.49,94.89 ; 28.34,95.01 28.14,95.21 27.97,95.21 ; 28.34,95.01 28.34,94.74 ; 28.49,94.89 28.34,94.74
  Bottom w0.1: v1(12.32,97.96) 12.32,90.46 12.67,90.11 16.27,90.11 17.27,89.11 17.27,87.91 18.47,86.71 18.47,84.31 19.82,82.96 20.47,82.96 21.07,83.56 21.07,85.61 21.47,86.01 22.97,86.01 23.27,86.31 23.27,87.51 23.87,88.11 23.87,88.51 25.32,89.96 25.32,91.71 v1(26.82,93.21)
+5V_SOM: length 128.1
  Top w0.1: R224.2 R19.2 v1(26.82,91.21) ; J1.L38 62.5,84.14 64.87,86.51 71.87,86.51 73.47,88.11 73.47,88.91 73.87,89.31 74.67,89.31 75.07,89.71 75.07,91.96 75.43,92.32 75.43,93.35 74.67,94.11 74.67,95.51 75.27,96.11 80.87,96.11 87.07,89.91 87.07,88.81 89.37,86.51 90.57,86.51 91.17,85.91 101.87,85.91 109.47,93.51 114.27,93.51 115.32,94.56 v1(115.32,95.71) TP75.1
  Top w0.2: R76.2 51.52,88.4 D55.1
  Bottom w0.2: C4.2 C3.2 46.53,82.77 45.97,82.21 43.97,82.21 43.47,82.71 43.47,84.21 42.17,85.51 40.5,85.51 R50.2 38.73,85.65 36.85,85.65 36.02,84.81 35.27,84.81 31.37,80.91 27.62,80.91 26.62,81.91 26.62,83.61 27.27,84.26 27.27,90.76 v1(26.82,91.21)
  Bottom w0.3: C25.2 62.92,83.49 v1(62.92,83.51) ; C7.2 46.45,83.13 C3.2 ; 58.9,83.57 C15.2 58.47,83.08 v1(58.47,82.57) ; 58.9,83.57 C21.2 58.92,84.27 C24.2 60.01,83.76 C17.2 59.35,83.12 58.9,83.57 ; v1(62.92,83.51) 62.92,83.48 C13.2 ; v1(62.92,83.51) 62.92,84.11 C20.2 ; 54.92,83.55 54.92,84.2 54.87,84.25 C23.2 ; 54.92,83.55 C16.2 ; 54.92,83.55 55.36,83.11 C14.2 ; C12.2 50.49,83.06 v1(51.52,83.06) 51.49,83.09 51.49,84.21 C19.2 C22.2 50.44,84.16 50.44,83.09 v1(50.42,83.06)
  vias: v1(46.37,83.11) v1(47.51,83.1) v1(54.39,83.12) v1(55.55,82.91) v1(59.39,83.09)
+12V: length 230.3
  Top w0.1: 102.47,15.56 v1(102.47,19.11) ; TP98.1 v1(117.57,95.71)
  Top w0.2: 108.37,8.01 108.78,7.6 ; 108.37,8.01 108.67,8.01 108.37,7.71 108.37,8.01 ; R25.1 108.02,8.36 ; 109.22,4.67 R22.2
  Top w0.3: 108.02,8.36 108.37,8.01 ; D64.1 109.07,10.71
  Top w1: v1(24.77,11.81) v1(24.77,11.01) v1(24.77,10.21) v1(24.77,9.41) 24.77,7.91 24.07,7.21 24.07,3.91 26.3,1.68 77.09,1.68 90.97,15.56 106.22,15.56 109.07,12.71 109.07,7.88 108.07,6.88 108.07,5.11 108.52,4.66 R22.2
  In5.Cu w0.1: v1(127.75,88.93) 127.77,88.91 127.77,88.61 127.87,88.51 127.87,76.71 127.07,75.91 127.07,73.71 127.67,73.11 127.67,69.31 v1(131.47,65.51)
  Bottom w0.1: v1(131.47,65.51) 130.07,64.11 130.07,54.74 130.97,53.84 130.97,44.41 114.87,28.31 108.67,28.31 105.27,24.91 105.27,21.91 v1(102.47,19.11) ; R372.2 118.09,95.73 118.67,96.31 118.67,97.51 119.67,98.51 124.47,98.51 125.47,97.51 125.47,90.91 127.47,88.91 127.73,88.91 v1(127.75,88.93)
  Bottom w1: R247.2 v1(24.77,11.81) v1(24.77,11.01) v1(24.77,10.21) v1(24.77,9.41)
+20V: length 39.4
  Top w0.1: R371.2 101.8,76.14 102.67,77.01 102.67,77.31 102.48,77.5 R284.2 ; TP61.1 v1(122.07,95.71)
  Bottom w0.1: 121.64,80.21 121.64,82.08 122.37,82.81 122.37,93.51 122.07,93.81 R17.2
  Bottom w0.2: C263.2 117.96,65.75 U63.1 117.37,66.01 117.07,66.31 117.07,68.96 116.24,69.79
  Bottom w2: 117.32,80.21 121.64,80.21 123.15,78.7 ; 116.07,69.96 116.24,69.79 122.98,69.79 Q24.5
  vias: v1(97.37,78.51) v1(97.37,77.25) v1(97.87,78.51) v1(97.88,77.25) v1(98.37,78.51) v1(98.39,77.25) v1(98.87,78.51) v1(98.91,77.25) v1(99.37,78.51) v1(99.42,77.25) v1(99.87,78.51) v1(99.93,77.25) v1(100.37,78.51) v1(100.44,77.25) v1(100.87,78.51) v1(100.96,77.25) v1(101.37,78.51) v1(101.47,77.25)
/DCDC/1V8_FB: length 2.1
  Top w0.2: U7.6 85.17,27 R317.1 84.56,27.32 R318.2
/DCDC/1V8_OUT: length 10.6
  Top w0.2: R317.2 86.15,28.28 86.32,28.11 88.72,28.11
  Top w0.5: R10.1 88.72,28.87 C37.2 C305.1 88.72,25.66 88.17,25.11 88.17,24.69 C33.2 88.18,22.02 L7.2
/DCDC/1V15_FB: length 2.3
  Top w0.1: R16.2 R9.1 129.65,28.22 129.65,27.1
/DCDC/1V15_OUT: length 3.8
  Top w0.1: R7.1 132.9,29.27 R9.2
/DCDC/3V3_BOOT: length 1.2
  Top w0.2: 120.03,27.65 120.03,28.21 119.91,28.33 119.91,28.79
/DCDC/3V3_FB: length 3
  Top w0.2: R55.2 123.52,29.76 123.54,29.75 123.54,28.23 123,27.69 123,26.99
/DCDC/3V3_MODE1: length 2.6
  Top w0.2: 119.94,29.76 120.62,29.08 R39.2 121.18,28.47 121.18,27.65
/DCDC/3V3_MODE2: length 1.3
  Top w0.2: 121.63,27.65 121.63,28.91
/DCDC/3V3_OUT: length 13.2
  Top w0.1: R316.2 111.31,21.07 110.97,21.41 110.97,22.31 111.13,22.47 R258.1
  Top w0.2: R54.2 122.56,28.81 122.58,28.8 122.58,28.53 122.53,28.49 122.53,27.65
  In5.Cu w0.2: 122.56,28.81 122.67,28.81 122.57,28.72 122.57,25.24 120.19,22.86 117.75,22.86 v1(117.72,22.83)
  vias: v1(122.58,28.81)
/DCDC/3V3_PHASE: length 1.4
  Top w0.2: 119.58,27.65 119.58,28.16 118.95,28.79
/DCDC/3V3_VDD: length 11.3
  Top w0.15: U13.15 124.05,26.09 C53.2 124.61,26.52 124.61,27.32 124,27.93 124,30.03 123.77,30.26 122.1,30.26 121.89,30.46 119.33,30.46 R38.2
/DCDC/3V3_VDRV: length 1.3
  Top w0.2: 123,24.74 123.55,24.74 124.11,24.18
/DCDC/5V_BOOT: length 1.2
  Top w0.2: U12.23 120.04,45.21 119.92,45.33 C59.2
/DCDC/5V_FB: length 3
  Top w0.2: R53.2 R52.1 123.01,44.99 U12.17
/DCDC/5V_MODE1: length 2.8
  Top w0.2: U12.21 121.19,45.76 R37.2 120.48,46.47 120.24,46.47 R36.1
/DCDC/5V_MODE2: length 1.5
  Top w0.2: U12.20 121.64,45.91 R42.2
/DCDC/5V_OUT: length 13.3
  Top w0.1: R315.2 112.57,36.75 112.57,37.54 112.77,37.74 R77.1
  Top w0.2: v1(122.79,45.73) 122.54,45.49 U12.18
  In5.Cu w0.2: v1(117.82,39.42) 120.13,39.42 122.79,42.08 v1(122.79,45.73)
/DCDC/5V_PHASE: length 1.4
  Top w0.2: C59.1 119.59,45.16 U12.24
/DCDC/5V_VDD: length 11.2
  Top w0.2: R36.2 119.77,47.54 123.74,47.54 124.64,46.64 124.64,43.6 C52.2 124.11,43.09 U12.15
/DCDC/5V_VDRV: length 1.3
  Top w0.2: U12.12 123.56,41.74 C55.2
/DCDC/5V_{AON}_BOOT: length 0.6
  Top w0.2: 66.86,98.45 66.91,98.5 66.91,98.99 C377.2
  vias: v1(66.94,99.04)
/DCDC/5V_{AON}_EN: length 6.9
  Top w0.1: U75.19 68.91,99.06 69.38,99.52 72.23,99.52 C6.2 72.91,97.93 R251.2
  Top w0.2: R251.2 R75.1
/DCDC/5V_{AON}_FB: length 3.3
  Top w0.2: R313.2 71.83,97.92 70.91,98.84 R312.1 70.3,98.84 69.83,98.37 69.83,97.79
/DCDC/5V_{AON}_MODE1: length 8.4
  Top w0.2: U75.21 68.01,99.17 v1(67.97,99.21) ; R310.2 72.93,94.91 v1(71.97,94.91)
  Bottom w0.2: v1(67.97,99.21) 67.97,99.21 68.39,98.78 69.54,98.78 70.42,97.91 70.42,97.16 71.97,95.61 v1(71.97,94.91)
/DCDC/5V_{AON}_MODE2: length 3.8
  Top w0.2: 68.46,98.45 68.46,99.11 v1(68.57,99.21)
  Bottom w0.2: R311.2 69.7,99.21 v1(68.57,99.21)
/DCDC/5V_{AON}_OUT: length 21.6
  Top w0.1: U75.18 69.36,99.01 69.68,99.32 71.38,99.32 v1(71.85,98.84) ; R314.2 55.93,91.75 56.27,91.41 56.27,90.61 56.39,90.49 R366.1
  Top w0.2: v1(71.98,93.56) 70.27,91.85 70.27,88.51 69.87,88.11 66.87,88.11 66.57,88.41
  Bottom w0.2: v1(71.85,98.84) 72.47,98.23 72.47,94.05 v1(71.98,93.56)
/DCDC/5V_{AON}_PHASE: length 0.8
  Top w0.2: v1(66.01,99.05) 66.41,98.65 U75.24
/DCDC/5V_{AON}_VDD: length 2.9
  Top w0.2: R309.2 71.97,96.31 71.82,96.46 71.62,96.46 71.11,96.96 C375.2 70.93,96.89 U75.15
/DCDC/5V_{AON}_VDRV: length 1.5
  Top w0.2: C376.2 70.4,95.54 U75.12
/DCDC/12V_BOOT: length 1.1
  Top w0.2: C221.2 120.02,12.68 U8.23
/DCDC/12V_FB: length 3.3
  Top w0.2: R18.2 R326.1 123.8,12.76 123.57,12.55 123.57,12.18 123.37,11.99 U8.17
/DCDC/12V_MODE1: length 2.6
  Top w0.2: R12.1 120.07,14.76 R13.2 121.19,13.63 U8.21
/DCDC/12V_MODE2: length 1.4
  Top w0.2: U8.20 121.64,13.62 R15.2
/DCDC/12V_OUT: length 12.2
  Top w0.2: 123.12,13.51 v1(123.12,12.65) U8.18 ; 123.12,13.51 123.09,13.51 ; 123.12,13.51 R326.2
  In5.Cu w0.2: v1(123.12,12.65) 123.12,10.91 118.5,6.29 v1(116.4,6.29)
/DCDC/12V_PHASE: length 1.4
  Top w0.2: U8.24 119.59,13.24 C221.1
/DCDC/12V_VDD: length 11.3
  Top w0.2: U8.15 124.09,11.09 ; R12.2 119.64,15.36 122.83,15.36 123.12,15.65 123.68,15.65 124.61,14.72 124.61,11.56 C54.2
/DCDC/12V_VDRV: length 1.3
  Top w0.2: U8.12 123.54,9.74 124.11,9.17
/DCDC/16V_BOOT: length 1.1
  Top w0.15: C246.2 118.74,66.29 118.74,65.2
/DCDC/16V_FB: length 2.6
  Top w0.2: U11.17 121.71,64.77 122.33,65.4 R69.1 123.81,65.4 R70.2
/DCDC/16V_MODE1: length 2.6
  Top w0.15: U11.21 119.89,65.81 119.67,66.03 R20.2 119.24,66.93 119.06,66.93 R26.1
/DCDC/16V_MODE2: length 1.4
  Top w0.15: R41.2 120.62,66.09 120.34,65.81 120.34,65.2
/DCDC/16V_OUT: length 15
  Top w0.1: R65.1 103.14,57.49 102.97,57.31 102.97,56.61 102.76,56.4 R364.2
  Top w0.2: 121.7,65.34 121.56,65.2 121.24,65.2 ; 121.7,65.34 121.67,65.31 121.67,65.5 122.52,66.36 122.83,66.36 ; 121.7,65.34 v1(121.7,65.46)
  In2.Cu w0.1: v1(115.07,59.98) 115.12,59.93 118.04,59.93 121.7,63.59 v1(121.7,65.46)
/DCDC/16V_PHASE: length 1.3
  Top w0.15: U11.24 118.29,65.79 C246.1
/DCDC/16V_VDD: length 13.5
  Top w0.1: C244.2 123.69,63.53 125.07,64.91 125.07,66.21 123.37,67.91 118.44,67.91 R26.2
  Top w0.2: C244.2 122.72,63.64 U11.15
/DCDC/16V_VDRV: length 1.4
  Top w0.2: U11.12 122.21,62.29 C245.2
/DCDC/20V_BOOT: length 1.1
  Top w0.15: 118.74,85.2 118.74,86.29 C281.2
/DCDC/20V_EN: length 5.1
  Top w0.15: 121.35,86.29 120.79,85.74 U65.19
  Bottom w0.1: v1(121.57,86.31) R34.1 R217.2
/DCDC/20V_FB: length 2.8
  Top w0.2: R125.2 123.73,85.52 123.72,85.51 122.36,85.51 122.25,85.4 122.25,85.4 121.71,84.85 U65.17
/DCDC/20V_MODE1: length 2.7
  Top w0.15: R23.1 119.52,86.76 R29.2 120.02,86.18 119.89,86.06 U65.21
/DCDC/20V_MODE2: length 1.8
  Top w0.15: R30.2 120.34,86.15 120.34,85.2
/DCDC/20V_OUT: length 16
  Top w0.1: R365.2 102.78,76.62 102.97,76.81 102.97,77.31 103.16,77.5 R284.1
  Top w0.15: 121.24,85.2 121.66,85.2 v1(122.87,86.41)
  Top w0.2: v1(122.87,86.41) 122.9,86.44 R94.2
  In5.Cu w0.2: v1(115.42,78.76) 116.44,79.79 117.49,79.79 121.7,83.99 121.7,85.24 v1(122.87,86.41)
/DCDC/20V_PHASE: length 1.3
  Top w0.15: C281.1 118.29,85.79 U65.24
/DCDC/20V_VDD: length 11.3
  Top w0.15: U65.15 122.9,83.64 C279.2 123.74,83.64 124.37,84.27 124.37,85.91 123.36,86.93 123.36,87.72 122.89,88.19 119.11,88.19 ; 119.11,88.19 119.07,88.19 ; 119.11,88.19 R23.2
/DCDC/20V_VDRV: length 1.4
  Top w0.2: U65.12 122.21,82.29 122.83,81.67
/DCDC/VIN_PWR_ON: length 164.4
  Top w0.1: v1(40.67,91.31) 40.37,91.31 38.97,89.91 ; v1(124.67,65.31) 124.67,66.11 123.83,66.95 122.03,66.95 120.79,65.72 U11.19 ; v1(96.17,77.01) 96.17,75.11 94.16,73.1 94.16,72.62 93.77,72.23 93.77,71.01 94.47,70.31 95.27,70.31 97.87,67.71 105.87,67.71 v1(107.97,65.61) ; 38.77,89.91 38.97,89.91 ; 38.77,89.91 38.87,89.91 38.97,89.81 ; 38.77,89.91 36.77,89.91 36.07,89.21 R296.1 34.55,88.21 34.05,87.71 33.05,87.71 32.55,88.21 ; 38.97,89.91 38.97,89.81 ; 38.97,89.81 38.97,88.51 37.67,87.21 32.87,87.21 31.17,85.51 26.57,85.51 26.37,85.71 19.57,85.71 10.32,94.96 Q20.1
  Top w0.2: Q6.1 49.7,94.34 v1(49.67,94.31)
  In5.Cu w0.1: v1(89.57,87.11) 89.5,87.11 86.3,90.31 85.57,90.31 84.77,91.11 80.87,91.11 80.42,90.66 80.12,90.66 79.47,91.31 52.67,91.31 v1(49.67,94.31) 49.17,94.31 46.57,91.71 41.57,91.71 41.17,91.31 v1(40.67,91.31) ; v1(93.85,83.36) 96.17,81.04 v1(96.17,77.01)
  In7.Cu w0.1: v1(124.67,65.31) 122.48,65.31 122,65.79 121.25,65.79 121.07,65.61 v1(107.97,65.61)
  Bottom w0.1: v1(93.85,83.36) 93.84,83.37 93.31,83.37 v1(89.57,87.11) ; v1(40.67,91.31) 40.65,91.29 Q7.1
/Expansion connector/+3V3_AUX: length 61.4
  Top w0.3: v1(64.77,28.11) 65.47,28.11 69.15,24.43 C5.2 69.16,20.9 U2.8 ; R320.2 39.67,30.57 v1(39.67,29.31)
  Top w0.5: v1(19.66,35.4) 20.27,36.01 26.47,36.01 28.47,34.01 31.17,34.01 32.37,32.81 35.07,32.81 37.27,30.61 R320.2
  In4.Cu w0.3: v1(64.77,28.11) 48.97,28.11 v1(48.47,28.61)
  Bottom w0.3: v1(48.47,28.61) 40.37,28.61 v1(39.67,29.31)
/Expansion connector/+3V3_FMC:
  vias: v1(19.66,30.32) v1(19.66,27.78) v1(19.66,25.24) v1(20.92,26.51) v1(24.73,25.24) v1(36.47,25.71) v1(36.47,25.11) v1(37.07,25.71) v1(37.07,25.11) v1(38.27,25.71) v1(38.27,25.11)
/Expansion connector/+12V_FMC: length 2.3
  Bottom w1: R247.1 22.82,12.96 21.57,14.21
/Power/3V3_LDO: length 2.5
  Top w0.3: R63.1 75.73,89.46 C75.2
  Top w0.5: U15.5 75.6,88.54 R63.1
/USB Hub/VBUS_MON_UP: length 5.4
  Top w0.19: U21.80 142.22,20.9 142.57,20.55 142.57,18.81 142.25,18.49 R66.1 R82.2
GND: length 694.3
  Top w0.1: U26.3 162.43,54.45 ; v1(179.17,71.91) 179.17,71.21 D25.1 ; D19.1 137.62,63.96 v1(137.67,63.91) ; v1(138.27,68.41) 138.32,68.46 R93.1 ; D51.1 178.85,58.49 v1(178.87,58.51) ; C121.1 v1(146.57,75.81) ; v1(106.32,99.11) D4.1 v1(125.32,99.11) ; D18.1 136.24,63.94 v1(136.27,63.91) ; R276.1 v1(154.87,45.51) ; v1(143.27,98.11) 143.27,97.31 142.99,97.03 C39.1 ; U58.8 162.43,51.35 ; 93.14,48.7 v1(94.74,48.7) ; R277.1 v1(154.97,56.71) ; C119.2 146.56,74.51 v1(146.57,74.51) ; R82.1 v1(144.97,18.01) ; v1(136.77,25.81) 136.79,25.83 C89.1 ; U71.6 78.97,44.38 v1(78.97,43.71) ; U56.13 155.32,48.16 v1(155.27,48.11) ; D11.2 77.27,91.44 v1(77.64,91.81) ; Q18.2 22.32,95.71 v1(22.32,95.71) ; C8.1 v1(35.32,92.21) ; Q20.2 11.32,96.46 v1(11.32,96.46) ; R340.2 R348.2 71.85,10.03 v1(71.87,10.01) ; U56.28 155.32,54.26 155.37,54.31 v1(155.37,54.36) ; v1(147.47,98.11) 147.47,97.11 147.55,97.03 C239.1 ; D24.1 179.02,81.16 v1(178.97,81.11) ; R92.1 v1(155.27,22.91) ; TP3.1 v1(126.57,92.46) ; D47.1 178.65,44.73 178.27,45.11 v1(176.97,45.11) ; v1(76.27,98.51) 75.94,98.84 C6.1 ; D13.2 109.17,6.56 v1(109.67,7.06) ; v1(31.57,88.96) 31.59,88.94 31.59,88.21 ; C40.1 v1(35.32,90.21) ; C94.1 v1(143.17,36.31) ; v1(109.17,25.81) D9.2 ; C98.1 v1(136.27,28.41) ; D49.1 v1(178.87,32.71) ; C195.1 v1(155.27,20.91) ; C139.2 139.34,68.48 v1(139.27,68.41)